# KiCad board SoundLab16StepSequencer.kicad_pcb (continued)
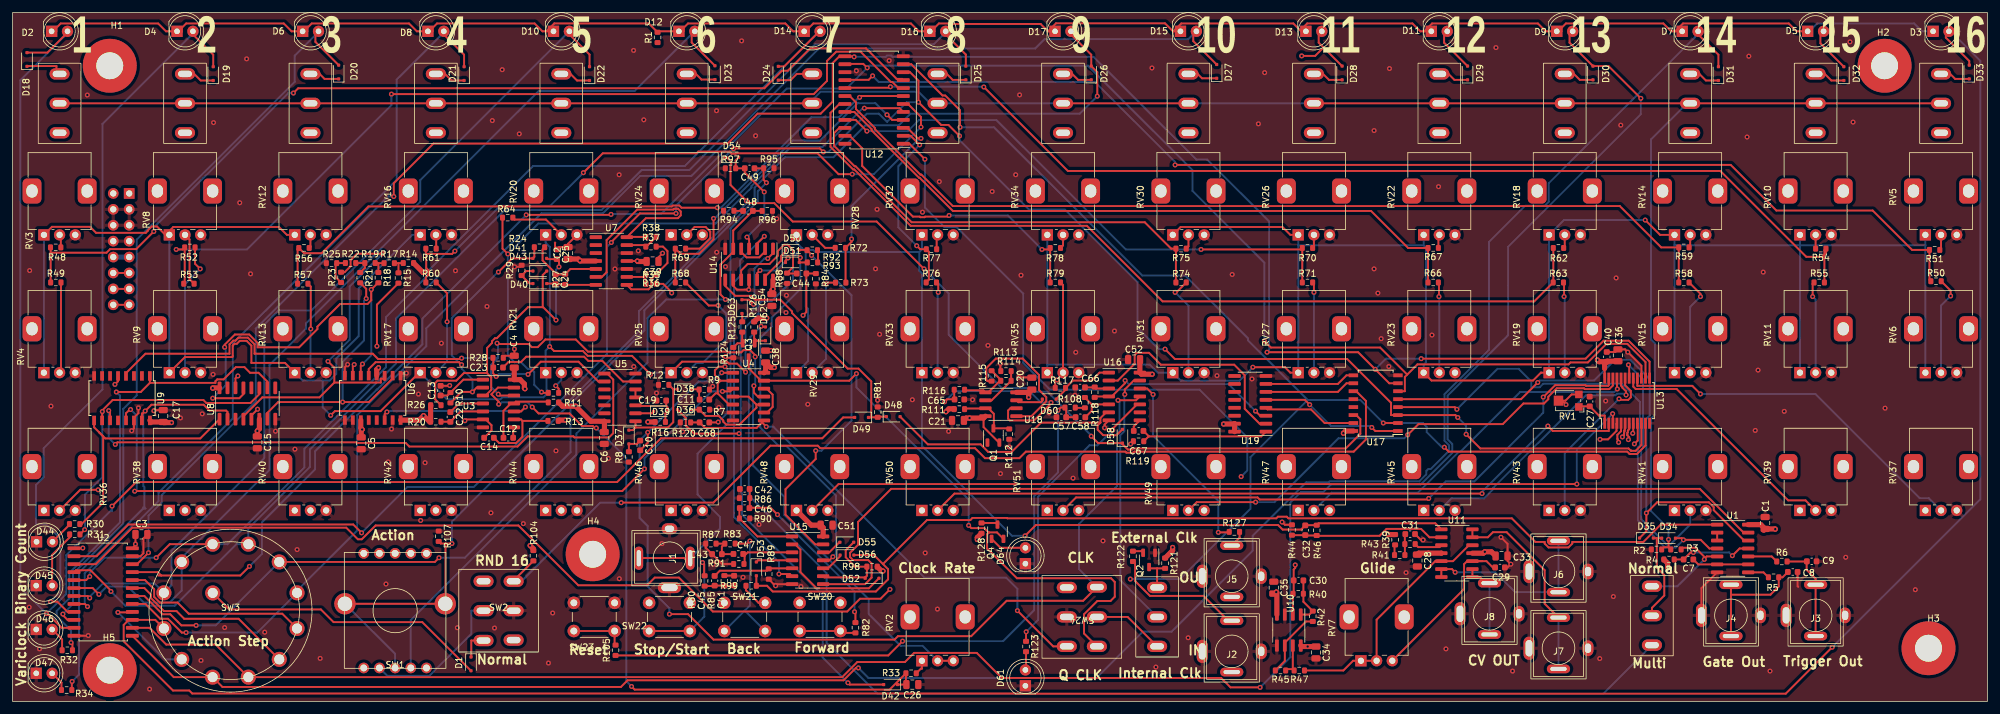
[diagram p0: board, top side]
## Footprints (pads in the part's own frame, mm; a bottom-side part is the same pattern mirrored in y, then rotated)
C_0603_1608Metric
  rrect 0.9x0.95 smd: 1(-0.775,0) 2(0.775,0)
C_0805_2012Metric
  rrect 1x1.45 smd: 1(-0.95,0) 2(0.95,0)
D_SOD-323F
  rrect 0.5x0.5 smd: 1(-1.1,0) 2(1.1,0)
LED_D5.0mm
  rect 1.8x1.8 hole 0.9: 1(0,0)
  round 1.8 hole 0.9: 2(2.54,0)
MountingHole_4.3mm_M4_Pad
  round 8.6 hole 4.3: 1(0.142,0.104)
MountingHole_4.3mm_M4_Pad#2
  round 8.6 hole 4.3: 1(-0.8,0.525)
MountingHole_4.3mm_M4_Pad#3
  round 8.6 hole 4.3: 1(0.225,-0.025)
MountingHole_4.3mm_M4_Pad#4
  round 8.6 hole 4.3: 1(-0.1,0.025)
MountingHole_4.3mm_M4_Pad#5
  round 8.6 hole 4.3: 1(-1.125,-1.125)
MTS-103-A01-T0
  oval 1.8x3.2 hole 1x2.2: 1(4.7,0) 2(0,0) 3(-4.7,0)
MTS-203-A1-T0
  oval 3.2x1.8 hole 2.2x1: 1(-2.4,-4.77) 2(-2.4,0) 3(-2.4,4.7) 4(2.4,-4.7) 5(2.4,0) 6(2.4,4.7)
PinHeader_2x08_P2.54mm_Vertical
  rect 1.7x1.7 hole 1: 1(0,0)
  oval 1.7x1.7 hole 1: 2(2.54,0) 3(0,-2.54) 4(2.54,-2.54) 5(0,-5.08) 6(2.54,-5.08) 7(0,-7.62) 8(2.54,-7.62) 9(0,-10.16) 10(2.54,-10.16) 11(0,-12.7) 12(2.54,-12.7) 13(0,-15.24) 14(2.54,-15.24) 15(0,-17.78) 16(2.54,-17.78)
PJ-301-BM
  oval 1.75x3.7 hole 1.1x2.6: S(-4.7,0)
  oval 1.75x2.5 hole 1x1.5: S(4.7,0)
  oval 3.7x1.4 hole 2.6x0.65: T(0,4.9) T(0,-3.3)
Potentiometer_Alps_RK09K_Single_Vertical
  rect 1.8x1.8 hole 1: 1(0,0)
  round 1.8 hole 1: 2(0,-2.5) 3(0,-5)
  rrect 4x3 hole 2.1x1.8: MP(7,1.9) MP(7,-6.9)
Potentiometer_Bourns_TC33X_Vertical
  rect 1.2x1.2 smd: 1(-1.8,1) 3(-1.8,-1)
  rect 1.5x1.6 smd: 2(1.45,0)
R_0603_1608Metric
  rrect 0.8x0.95 smd: 1(-0.825,0) 2(0.825,0)
SO-14_3.9x8.65mm_P1.27mm
  rrect 1.95x0.6 smd: 1(-2.475,3.81) 2(-2.475,2.54) 3(-2.475,1.27) 4(-2.475,0) 5(-2.475,-1.27) 6(-2.475,-2.54) 7(-2.475,-3.81) 8(2.475,-3.81) 9(2.475,-2.54) 10(2.475,-1.27) 11(2.475,0) 12(2.475,1.27) 13(2.475,2.54) 14(2.475,3.81)
SOIC-8_3.9x4.9mm_P1.27mm
  rrect 1.95x0.6 smd: 1(-2.475,1.905) 2(-2.475,0.635) 3(-2.475,-0.635) 4(-2.475,-1.905) 5(2.475,-1.905) 6(2.475,-0.635) 7(2.475,0.635) 8(2.475,1.905)
SOIC-14_3.9x8.7mm_P1.27mm
  rrect 1.95x0.6 smd: 1(-2.475,3.81) 2(-2.475,2.54) 3(-2.475,1.27) 4(-2.475,0) 5(-2.475,-1.27) 6(-2.475,-2.54) 7(-2.475,-3.81) 8(2.475,-3.81) 9(2.475,-2.54) 10(2.475,-1.27) 11(2.475,0) 12(2.475,1.27) 13(2.475,2.54) 14(2.475,3.81)
SOIC-16W_5.3x10.2mm_P1.27mm
  rect 1.5x0.6 smd: 1(-3.55,4.445) 2(-3.55,3.175) 3(-3.55,1.905) 4(-3.55,0.635) 5(-3.55,-0.635) 6(-3.55,-1.905) 7(-3.55,-3.175) 8(-3.55,-4.445) 9(3.55,-4.445) 10(3.55,-3.175) 11(3.55,-1.905) 12(3.55,-0.635) 13(3.55,0.635) 14(3.55,1.905) 15(3.55,3.175) 16(3.55,4.445)
SOIC-24W_7.5x15.4mm_P1.27mm
  rrect 2.05x0.6 smd: 1(-4.65,6.985) 2(-4.65,5.715) 3(-4.65,4.445) 4(-4.65,3.175) 5(-4.65,1.905) 6(-4.65,0.635) 7(-4.65,-0.635) 8(-4.65,-1.905) 9(-4.65,-3.175) 10(-4.65,-4.445) 11(-4.65,-5.715) 12(-4.65,-6.985) 13(4.65,-6.985) 14(4.65,-5.715) 15(4.65,-4.445) 16(4.65,-3.175) 17(4.65,-1.905) 18(4.65,-0.635) 19(4.65,0.635) 20(4.65,1.905) 21(4.65,3.175) 22(4.65,4.445) 23(4.65,5.715) 24(4.65,6.985)
SOP-16_3.9x9.9mm_P1.27mm
  rrect 2x0.6 smd: 1(-2.5,4.445) 2(-2.5,3.175) 3(-2.5,1.905) 4(-2.5,0.635) 5(-2.5,-0.635) 6(-2.5,-1.905) 7(-2.5,-3.175) 8(-2.5,-4.445) 9(2.5,-4.445) 10(2.5,-3.175) 11(2.5,-1.905) 12(2.5,-0.635) 13(2.5,0.635) 14(2.5,1.905) 15(2.5,3.175) 16(2.5,4.445)
SOT-23-3
  rrect 1.325x0.6 smd: 1(-1.137,0.95) 2(-1.137,-0.95) 3(1.137,0)
SR2612F-0112
  round 2.4 hole 1.6: 1(-10.615,2.847) 2(-7.778,7.778) 3(-2.847,10.615) 4(2.847,10.615) 5(7.778,7.778) 6(10.615,2.847) 7(10.615,-2.847) 8(7.778,-7.778) 9(2.847,-10.615) 10(-2.847,-10.615) 11(-7.778,-7.778) 12(-10.615,-2.847) 13(-2.828,2.828)
SRBV141404
  round 1.7 hole 1.1: 1(5,-9.15) 2(2.5,-9.15) 3(0,-9.15) 4(-2.5,-9.15) 5(-5,-9.15) 6(-5,9.15) 7(-2.5,9.15) 8(0,9.15) 9(2.5,9.15) 10(5,9.15)
  round 3.4 hole 2.3: 3(-8,1.1) 3(8,1.1)
SSOP-24_5.3x8.2mm_P0.65mm
  rect 1.75x0.45 smd: 1(-3.6,3.575) 2(-3.6,2.925) 3(-3.6,2.275) 4(-3.6,1.625) 5(-3.6,0.975) 6(-3.6,0.325) 7(-3.6,-0.325) 8(-3.6,-0.975) 9(-3.6,-1.625) 10(-3.6,-2.275) 11(-3.6,-2.925) 12(-3.6,-3.575) 13(3.6,-3.575) 14(3.6,-2.925) 15(3.6,-2.275) 16(3.6,-1.625) 17(3.6,-0.975) 18(3.6,-0.325) 19(3.6,0.325) 20(3.6,0.975) 21(3.6,1.625) 22(3.6,2.275) 23(3.6,2.925) 24(3.6,3.575)
SW_PUSH_6mm_H13mm
  round 2 hole 1.1: 1(0,0) 1(6.5,0) 2(0,-4.5) 2(6.5,-4.5)

## Nets
+5V: U12.24
+12V: C1.1 C2.1 C3.1 C4.1 C5.1 C6.1 C15.1 C17.1 C20.1 C28.1 C34.1 C36.2 C38.1 C40.2 C51.1 C52.1 C54.1 J9.9 J9.10 R4.1 R11.1 R13.1 R14.2 R16.1 R20.1 R26.1 R39.2 R98.1 R99.1 R104.2 R111.2 R121.2 R126.2 R128.2 RV36.1 RV37.1 RV38.1 RV39.1 RV40.1 RV41.1 RV42.1 RV43.1 RV44.1 RV45.1 RV46.1 RV47.1 RV48.1 RV49.1 RV50.1 RV51.1 SW20.1 SW21.1 SW22.1 U1.14 U2.1 U2.24 U3.14 U4.14 U5.14 U6.4 U6.11 U6.16 U7.4 U8.6 U8.16 U9.5 U9.16 U10.8 U11.4 U13.24 U14.14 U15.14 U16.14 U17.16 U18.8 U19.15 U19.16
-12V: C21.2 C29.2 C35.2 C39.2 J9.1 J9.2 Q1.2 U7.11 U10.4 U11.11 U18.4
GNDREF: C1.2 C2.2 C3.2 C4.2 C5.2 C6.2 C8.1 C9.1 C13.2 C15.2 C17.2 C19.2 C20.2 C21.1 C25.1 C26.1 C27.2 C28.2 C29.1 C31.2 C33.2 C34.2 C35.1 C36.1 C38.2 C39.1 C40.1 C41.2 C42.2 C43.2 C51.2 C52.2 C54.2 C57.2 C65.1 C66.1 D44.1 D45.1 D46.1 D47.1 D61.1 D64.1 J1.S J2.S J3.S J4.S J5.S J6.S J7.S J8.S J9.3 J9.4 J9.5 J9.6 J9.7 J9.8 Q2.1 R2.2 R7.2 R8.1 R9.2 R12.2 R25.1 R28.1 R29.1 R44.2 R81.1 R84.1 R85.1 R86.1 R87.1 R88.1 R89.1 R90.1 R91.1 R94.2 R95.2 R96.1 R97.1 R107.1 R112.1 R113.1 R117.1 R119.1 R120.2 R124.1 RV3.3 RV4.3 RV5.3 RV6.3 RV8.3 RV9.3 RV10.3 RV11.3 RV12.3 RV13.3 RV14.3 RV15.3 RV16.3 RV17.3 RV18.3 RV19.3 RV20.3 RV21.3 RV22.3 RV23.3 RV24.3 RV25.3 RV26.3 RV27.3 RV28.3 RV29.3 RV30.3 RV31.3 RV32.3 RV33.3 RV34.3 RV35.3 RV36.3 RV37.3 RV38.3 RV39.3 RV40.3 RV41.3 RV42.3 RV43.3 RV44.3 RV45.3 RV46.3 RV47.3 RV48.3 RV49.3 RV50.3 RV51.3 SW2.5 SW23.1 SW24.5 U1.7 U2.12 U2.23 U3.7 U4.6 U4.7 U5.7 U6.1 U6.8 U6.9 U6.10 U6.15 U7.10 U7.12 U8.8 U9.8 U9.14 U10.3 U10.5 U12.12 U12.15 U13.12 U13.15 U14.7 U14.9 U14.11 U15.7 U16.7 U17.8 U19.8
/SequencerAnalogGenerator/CV1: J8.T U11.8 U11.9
/SequencerAnalogGenerator/CV2: J7.T U11.13 U11.14
/SequencerAnalogGenerator/CV3: J6.T U11.6 U11.7
/SequencerAnalogGenerator/QA: U2.2 U12.10 U13.10 U17.3
/SequencerAnalogGenerator/QB: U2.3 U12.11 U13.11 U17.2
/SequencerAnalogGenerator/QC: U2.21 U12.14 U13.14 U17.6
/SequencerAnalogGenerator/QD: U2.22 U12.13 U13.13 U17.7
/SequencerClocking/CLR: D54.1 D58.1 R107.2 SW1.3 U17.14
/SequencerClocking/DA: U17.15 U19.4
/SequencerClocking/DB: U17.1 U19.5
/SequencerClocking/DC: U17.10 U19.6
/SequencerClocking/DD: U17.9 U19.7
/SequencerClocking/DN: D34.2 U1.4 U17.4
/SequencerClocking/FWD: D2.2 D18.2 D49.2 U2.11
/SequencerClocking/REV: C44.2 R84.2 SW1.5
/SequencerClocking/RND: R104.1 SW2.6 U17.11
/SequencerClocking/RST: D48.2 D58.2 U16.6
/SequencerClocking/STP: C48.2 R96.2 SW1.2 U14.6
/SequencerClocking/UP: D35.1 U1.12 U17.5
/SequencerClocking/X2: D36.2 D42.2 D63.2 U14.1
/SequencerClocking/XSTP: C49.1 J1.T R95.1
/SequencerInput/Gate: C8.2 J4.T R5.2
/SequencerInput/Q4: D10.2 D22.2 SW3.1 U2.7
/SequencerInput/Q5: D12.2 D23.2 SW3.2 U2.6
/SequencerInput/Q6: D14.2 D24.2 SW3.3 U2.5
/SequencerInput/Q7: D16.2 D25.2 SW3.4 U2.4
/SequencerInput/Q8: D17.2 D26.2 SW3.5 U2.18
/SequencerInput/Q9: D15.2 D27.2 SW3.6 U2.17
/SequencerInput/Q10: D13.2 D28.2 SW3.7 U2.20
/SequencerInput/Q11: D11.2 D29.2 SW3.8 U2.19
/SequencerInput/Q12: D9.2 D30.2 SW3.9 U2.14
/SequencerInput/Q13: D7.2 D31.2 SW3.10 U2.13
/SequencerInput/Q14: D5.2 D32.2 SW3.11 U2.16
/SequencerInput/Q15: D3.2 D33.2 SW3.12 U2.15
/SequencerInput/SBV1: D34.1 D35.2 SW26.2
/SequencerInput/SBV2: R3.2 SW26.1 U1.5
/SequencerInput/Trig: C9.2 J3.T R6.2
/SequencerRandomGenerator/CLK: U16.9
/VariClock1/CLK: RV2.2 RV2.3 U3.12 U4.11 U9.4
/VariClock1/CLR: U4.3 U9.13
/VariClock1/DV: C27.1 RV1.1 U13.1
/VariClock1/QCK: C10.2 SW24.1 U4.1 U16.11
/VariClock1/RST: D36.1 R7.1 U4.4 U4.10
/VariClock1/SET: C11.2 C68.2 U4.2 U4.5
/VariClock2/Clock_Out: J5.T R127.2
/VariClock2/EXT_CLK_Input: J2.T R122.2
/VariClock2/Q2: Q3.3 Q4.2 SW24.3 U4.13
CBUS: R1.1
GB: R2.1 R3.1 SW4.2 SW5.2 SW6.2 SW7.2 SW8.2 SW9.2 SW10.2 SW11.2 SW12.2 SW13.2 SW14.2 SW15.2 SW16.2 SW17.2 SW18.2 SW19.2
I/O: C30.1 R40.1 U10.2 U12.1
Net-(C7-Pad1): C7.1 U1.6 U1.9
Net-(C7-Pad2): C7.2 R4.2 U1.11
Net-(C12-Pad1): C12.1 R11.2 U3.11
Net-(C12-Pad2): C12.2 U3.8
Net-(C13-Pad1): C13.1 R10.2 U3.1
Net-(C14-Pad1): C14.1 R13.2 U3.9
Net-(C22-Pad1): C22.1 R20.2 U3.5
Net-(C22-Pad2): C22.2 U3.4
Net-(C23-Pad1): C23.1 R28.2 U5.9
Net-(C23-Pad2): C23.2 U5.6
Net-(C30-Pad2): C30.2 R40.2 R42.2 U10.1
Net-(C31-Pad1): C31.1 R41.1 R43.2
Net-(C32-Pad2): C32.2 R46.1 RV3.1 RV4.1 RV8.1 RV9.1 RV12.1 RV13.1 RV16.1 RV17.1 RV20.1 RV21.1 RV24.1 RV25.1 RV28.1 RV29.1 RV32.1 RV33.1 U11.1
Net-(C41-Pad1): C41.1 C45.1 R80.1 R85.2
Net-(C42-Pad1): C42.1 C46.1 R82.2 R86.2
Net-(C43-Pad1): C43.1 C47.1 R83.2 R87.2
Net-(C45-Pad2): C45.2 R89.2 U15.5
Net-(C46-Pad2): C46.2 R90.2 U15.1
Net-(C47-Pad2): C47.2 R91.2 U15.3
Net-(C48-Pad1): C48.1 R94.1
Net-(C57-Pad1): C57.1 C58.2 R105.1 R108.2
Net-(C58-Pad1): C58.1 R110.1 U16.5
Net-(C66-Pad2): C66.2 R118.2 U16.3
Net-(C67-Pad2): C67.2 U16.8
Net-(D1-A): D1.2 SW3.13
Net-(D1-K): D1.1 SW2.1
Net-(D10-K): D2.1 D3.1 D4.1 D5.1 D6.1 D7.1 D8.1 D9.1 D10.1 D11.1 D12.1 D13.1 D14.1 D15.1 D16.1 D17.1 R1.2
Net-(D18-K): D18.1 SW4.1
Net-(D19-A): D4.2 D19.2 U2.9
Net-(D19-K): D19.1 SW5.1
Net-(D20-A): D6.2 D20.2 U2.10
Net-(D20-K): D20.1 SW6.1
Net-(D21-A): D8.2 D21.2 U2.8
Net-(D21-K): D21.1 SW7.1
Net-(D22-K): D22.1 SW8.1
Net-(D23-K): D23.1 SW9.1
Net-(D24-K): D24.1 SW10.1
Net-(D25-K): D25.1 SW11.1
Net-(D26-K): D26.1 SW12.1
Net-(D27-K): D27.1 SW13.1
Net-(D28-K): D28.1 SW14.1
Net-(D29-K): D29.1 SW15.1
Net-(D30-K): D30.1 SW16.1
Net-(D31-K): D31.1 SW17.1
Net-(D32-K): D32.1 SW18.1
Net-(D33-K): D33.1 SW19.1
Net-(D37-A): C10.1 D37.2 R8.2
Net-(D37-K): D37.1 D38.1 R12.1 U5.1
Net-(D38-A): C11.1 D38.2 R9.1
Net-(D39-A): C19.1 D39.2 R16.2 U5.3
Net-(D39-K): D39.1 U5.2
Net-(D40-A): C24.2 D40.2 R27.1 U7.7
Net-(D40-K): D40.1 D43.1 R29.2
Net-(D41-A): C25.2 D41.2 D43.2 R26.2 U3.3
Net-(D41-K): D41.1 R10.1 R24.2 U3.2 U6.5
Net-(D42-K): C26.2 D42.1 R33.1 U3.13
Net-(D44-A): D44.2 R30.1
Net-(D45-A): D45.2 R31.1
Net-(D46-A): D46.2 R32.1
Net-(D47-A): D47.2 R34.1
Net-(D48-K): D48.1 D49.1 R81.2 U14.8
Net-(D50-A): D50.2 R92.2 U15.13
Net-(D50-K): D50.1 U14.13
Net-(D51-A): D51.2 R93.2 U15.11
Net-(D51-K): D51.1 U14.12
Net-(D52-A): D52.2 D55.2 R98.2 U15.9
Net-(D52-K): D52.1 U15.2
Net-(D53-A): D53.2 D56.2 R99.2 U1.1
Net-(D53-K): D53.1 U15.4
Net-(D54-A): C49.2 D54.2 R97.2 U14.4
Net-(D55-K): D55.1 U15.12
Net-(D56-K): D56.1 U15.10
Net-(D60-A): D60.2 U18.7
Net-(D60-K): D60.1 R117.2 U16.1
Net-(D61-A): D61.2 R123.2
Net-(D62-A): D62.2 SW26.3
Net-(D62-K): D62.1 Q3.1 R126.1
Net-(D63-K): D63.1 R125.2
Net-(D64-A): D64.2 Q4.1
Net-(J9-Pin_11): J9.11 J9.12
Net-(J9-Pin_13): J9.13 J9.14
Net-(J9-Pin_15): J9.15 J9.16
Net-(Q1-C): Q1.3 R111.1 R112.2 U18.3
Net-(Q2-B): Q2.2 R122.1
Net-(Q2-C): Q2.3 R121.1 SW25.3
Net-(Q3-B): Q3.2 R124.2 R125.1
Net-(Q4-C): Q4.3 R128.1
Net-(R5-Pad1): R5.1 U1.8
Net-(R6-Pad1): R6.1 U1.10
Net-(R14-Pad1): R14.1 R15.1 R17.2
Net-(R17-Pad1): R17.1 R18.1 R19.2
Net-(R19-Pad1): R19.1 R21.1 R22.2
Net-(R22-Pad1): R22.1 R23.1 R25.2
Net-(R33-Pad2): R33.2 RV2.1
Net-(R35-Pad2): R35.2 RV1.2 RV1.3
Net-(R36-Pad1): R36.1 R37.2 U7.8
Net-(R39-Pad1): R39.1 R41.2
Net-(R45-Pad1): R45.1 R47.2 U10.7
Net-(R48-Pad2): R48.2 RV3.2
Net-(R49-Pad2): R49.2 RV4.2
Net-(R50-Pad1): R50.1 RV6.2
Net-(R51-Pad1): R51.1 RV5.2
Net-(R52-Pad2): R52.2 RV9.2
Net-(R53-Pad1): R53.1 RV8.2
Net-(R54-Pad2): R54.2 RV10.2
Net-(R55-Pad2): R55.2 RV11.2
Net-(R56-Pad2): R56.2 RV12.2
Net-(R57-Pad2): R57.2 RV13.2
Net-(R58-Pad1): R58.1 RV15.2
Net-(R59-Pad1): R59.1 RV14.2
Net-(R60-Pad2): R60.2 RV17.2
Net-(R61-Pad1): R61.1 RV16.2
Net-(R62-Pad2): R62.2 RV18.2
Net-(R63-Pad2): R63.2 RV19.2
Net-(R64-Pad2): R64.2 RV20.2
Net-(R65-Pad2): R65.2 RV21.2
Net-(R66-Pad1): R66.1 RV23.2
Net-(R67-Pad1): R67.1 RV22.2
Net-(R68-Pad2): R68.2 RV25.2
Net-(R69-Pad1): R69.1 RV24.2
Net-(R70-Pad2): R70.2 RV26.2
Net-(R71-Pad2): R71.2 RV27.2
Net-(R72-Pad2): R72.2 RV28.2
Net-(R73-Pad2): R73.2 RV29.2
Net-(R74-Pad1): R74.1 RV31.2
Net-(R75-Pad1): R75.1 RV30.2
Net-(R76-Pad2): R76.2 RV33.2
Net-(R77-Pad1): R77.1 RV32.2
Net-(R78-Pad2): R78.2 RV34.2
Net-(R79-Pad2): R79.2 RV35.2
Net-(R80-Pad2): R80.2 SW22.2
Net-(R82-Pad1): R82.1 SW20.2
Net-(R83-Pad1): R83.1 SW21.2
Net-(R92-Pad1): R92.1 R93.1
Net-(R105-Pad2): R105.2 SW23.2
Net-(R108-Pad1): R108.1 R110.2
Net-(R114-Pad1): R114.1 R115.2 R116.2 U18.1
Net-(R123-Pad1): R123.1 U16.10
Net-(R127-Pad1): R127.1 U16.12
Net-(RV10-Pad1): RV5.1 RV6.1 RV10.1 RV11.1 RV14.1 RV15.1 RV18.1 RV19.1 RV22.1 RV23.1 RV26.1 RV27.1 RV30.1 RV31.1 RV34.1 RV35.1
Net-(SW1-Pad4): SW1.4 SW2.2
Net-(SW25-A): SW24.2 SW25.1
Net-(SW25-B): SW25.2 U16.13
Net-(U1-Pad2): U1.2 U1.3
Net-(U1-Pad13): U1.13 U15.8
Net-(U4B-D): U4.9 U4.12
Net-(U4B-S): C68.1 R120.1 SW24.6 U4.8
Net-(U5-Pad4): U5.4 U5.5
Net-(U6-MR): U3.10 U6.14
Net-(U6-Q0): R23.2 U6.3 U8.4
Net-(U6-Q1): R21.2 U6.2 U8.7
Net-(U6-Q2): R18.2 U6.6 U8.13
Net-(U6-Q3): R15.2 U6.7 U8.14
Net-(U7B-+): C24.1 R24.1 R27.2 U7.5
Net-(U7B--): R38.1 U7.6 U7.14
Net-(U7C--): R35.1 R36.2 U7.9
Net-(U7D--): R37.1 R38.2 U7.13
Net-(U8-E0): C14.2 U3.6 U8.5
Net-(U9-LOAD): U5.8 U9.11
Net-(U9-P0): R34.2 U8.2 U9.15
Net-(U9-P1): R32.2 U8.10 U9.1
Net-(U9-P2): R31.2 U8.11 U9.10
Net-(U9-P3): R30.2 U8.1 U9.9
Net-(U10B--): R42.1 R45.2 U10.6
Net-(U11A-+): R43.1 U11.3
Net-(U11A--): C32.1 R44.1 R46.2 U11.2
Net-(U11B-+): R47.1 RV7.1 RV7.2 U11.5 U11.12
Net-(U11C-+): C33.1 RV7.3 U11.10
Net-(U12-I0): R48.1 R49.1 U12.9
Net-(U12-I1): R52.1 R53.2 U12.8
Net-(U12-I2): R56.1 R57.1 U12.7
Net-(U12-I3): R60.1 R61.2 U12.6
Net-(U12-I4): R64.1 R65.1 U12.5
Net-(U12-I5): R68.1 R69.2 U12.4
Net-(U12-I6): R72.1 R73.1 U12.3
Net-(U12-I7): R76.1 R77.2 U12.2
Net-(U12-I8): R78.1 R79.1 U12.23
Net-(U12-I9): R74.2 R75.2 U12.22
Net-(U12-I10): R70.1 R71.1 U12.21
Net-(U12-I11): R66.2 R67.2 U12.20
Net-(U12-I12): R62.1 R63.1 U12.19
Net-(U12-I13): R58.2 R59.2 U12.18
Net-(U12-I14): R54.1 R55.1 U12.17
Net-(U12-I15): R50.2 R51.2 U12.16
Net-(U13-I0): RV36.2 U13.9
Net-(U13-I1): RV38.2 U13.8
Net-(U13-I2): RV40.2 U13.7
Net-(U13-I3): RV42.2 U13.6
Net-(U13-I4): RV44.2 U13.5
Net-(U13-I5): RV46.2 U13.4
Net-(U13-I6): RV48.2 U13.3
Net-(U13-I7): RV50.2 U13.2
Net-(U13-I8): RV51.2 U13.23
Net-(U13-I9): RV49.2 U13.22
Net-(U13-I10): RV47.2 U13.21
Net-(U13-I11): RV45.2 U13.20
Net-(U13-I12): RV43.2 U13.19
Net-(U13-I13): RV41.2 U13.18
Net-(U13-I14): RV39.2 U13.17
Net-(U13-I15): RV37.2 U13.16
Net-(U14A-C): U14.3 U15.6
Net-(U14A-D): U14.2 U14.5
Net-(U14B-R): C44.1 R88.2 U14.10
Net-(U18A--): R113.2 R114.2 U18.2
Net-(U18B-+): R115.1 U18.5
Net-(U18B--): C65.2 R116.1 U18.6
Net-(U19-CLK): R118.1 U16.4 U19.3
Net-(U19-DATA): U16.2 U19.2
Net-(U19-STROBE): C67.1 R119.2 U19.1

Pads without a net: H1 1; H2 1; H3 1; H4 1; H5 1; Q1 1; RV2 MP; RV3 MP; RV4 MP; RV5 MP; RV6 MP; RV7 MP; RV8 MP; RV9 MP; RV10 MP; RV11 MP; RV12 MP; RV13 MP; RV14 MP; RV15 MP; RV16 MP; RV17 MP; RV18 MP; RV19 MP; RV20 MP; RV21 MP; RV22 MP; RV23 MP; RV24 MP; RV25 MP; RV26 MP; RV27 MP; RV28 MP; RV29 MP; RV30 MP; RV31 MP; RV32 MP; RV33 MP; RV34 MP; RV35 MP; RV36 MP; RV37 MP; RV38 MP; RV39 MP; RV40 MP; RV41 MP; RV42 MP; RV43 MP; RV44 MP; RV45 MP; RV46 MP; RV47 MP; RV48 MP; RV49 MP; RV50 MP; RV51 MP; SW1 1 6 7 8 9 10; SW2 3 4; SW4 3; SW5 3; SW6 3; SW7 3; SW8 3; SW9 3; SW10 3; SW11 3; SW12 3; SW13 3; SW14 3; SW15 3; SW16 3; SW17 3; SW18 3; SW19 3; SW24 4; U5 10 11 12 13; U6 12 13; U7 1 2 3; U8 3 9 12 15; U9 2 3 6 7 12; U17 12 13; U19 9 10 11 12 13 14

## Via types
v1: diameter 0.8, hole 0.4, Top to Bottom, 409 vias
v2: diameter 0.8, hole 0.4, Top to In2.Cu, 1 via

## Routing (per net, layer and track width the routed paths; a pad name or vN(x,y) marks a point on that pad's centre or on a via; arc(x,y) is an arc through that point)
+12V: length 897.1
  Top w0.305: U9.5 16.82,51.12 v1(16.33,50.62) ; SW21.1 118.95,15.75 116.95,17.75 R99.1 ; U2.24 19.6,24.96 v1(19.6,25.12) C3.1 ; U13.24 253.88,53.12 253.85,53.15 ; v1(11.2,24.5) 11.16,24.46 U2.1
  Top w0.813: R104.2 83.05,24.38 v1(82.53,24.9) ; U10.8 205.56,8.78 v1(206.5,8.78) 207.82,8.78 ; R126.2 118.82,61.2 v1(120.26,61.2) ; U4.14 120.07,52.74 C38.1 120.88,53.32 v1(121.47,53.32) ; U17.16 212.56,43.19 v1(212.2,42.82) ; v1(101.3,44.62) R16.1 ; v1(184.97,24.6) 184.97,24.1 R121.2 ; C15.1 39.03,43.19 v1(39.04,43.21) 39.36,43.52 U8.6 ; R98.1 138.57,20.82 v1(138.8,20.82) ; v1(25.35,44.53) 24.12,44.53 C17.1 22.15,44.62 U9.16 ; 55.6,42.18 55.6,43.28 v1(55.75,43.42) 55.53,43.65 U6.11 ; 162.03,49.05 162.03,49.3 C20.1 ; 162.03,49.05 v1(162.03,48.55) ; 162.03,49.05 161.72,49.35 U18.8 ; R39.2 219.4,26.65 v1(219.32,26.72) ; 58.06,52.03 58.06,53 v1(58.36,53.29) ; v2(148.82,46.25) 149.3,46.72 150.1,46.72 R111.2 ; v1(181.72,52.25) 180.01,52.25 U16.14 179.75,54.56 179.78,54.59 ; C2.1 90.2,70.65 v1(90.45,70.4) 90.52,70.33 U7.4 ; 255.98,54.32 254.27,54.32 C40.2 ; C1.1 281.03,27.55 v1(281.07,27.52) ; C1.1 278.76,28.24 U1.14 ; C1.1 279.23,27.32 ; C28.1 224.23,23.68 v1(225.75,23.68) 227.82,23.68 U11.4 ; v1(88.15,44.93) 87.15,44.93 R13.1 ; v1(81.7,49.93) 81.61,50.01 81.61,50.7 80.92,51.38 U3.14 80,51.44 C4.1 ; C40.2 253.85,53.9 253.85,53.15 ; C40.2 252.98,54.25 v1(252.7,54.53) ; R4.1 263.9,22.07 v1(263.9,21.32) ; R26.1 66.66,47.28 R20.1 66.5,44.67 v1(65.53,45.63) 64.82,44.93 U6.16 ; RV48.1 127.35,28.15 C51.1 129.25,27.75 U15.14 ; v1(65.53,68.5) 65.45,68.5 R14.2 ; v1(31.92,50.03) 31.97,50.07 U8.16 ; v1(193.1,44.3) 194.8,44.3 U19.15 U19.16 ; R128.2 153.82,26.18 v1(153.82,25.85) ; U14.14 v1(121.26,65.85) 121.07,65.67 C54.1 ; C6.1 94.38,43.05 U5.14 92.19,44.74 v1(89.78,47.15) 87.68,47.15 R11.1
  In2.Cu w0.305: 113.7,19.72 108.07,19.72 108,19.8
  In2.Cu w0.813: 87.01,32.51 87.29,32.79 102.71,32.79 RV46.1 ; 87.01,32.51 88.15,33.65 v1(88.15,44.93) 88.15,45.53 v1(89.78,47.15) ; 87.01,32.51 RV44.1 ; 226.51,28.99 RV45.1 223.49,32.01 215.7,32.01 ; 226.51,28.99 243.49,28.99 RV43.1 246.51,28.99 252.27,28.99 ; 226.51,28.99 225.75,28.24 ; 187.75,32.01 186.51,32.01 RV49.1 ; 187.75,32.01 190.62,32.01 192.13,30.5 201.55,30.5 ; 187.75,32.01 187.75,38.95 v1(193.1,44.3) 190.19,44.3 182.24,52.25 v1(181.72,52.25) ; RV37.1 303.49,28.99 286.51,28.99 RV39.1 283.49,32.01 276.57,32.01 ; RV49.1 185,24.62 v1(184.97,24.6) ; RV49.1 183.49,32.01 166.51,32.01 RV51.1 163.49,32.01 160.32,32.01 ; v1(263.9,21.32) 265.06,22.48 265.06,27.43 263.49,28.99 ; v1(89.78,47.15) 88.56,48.37 82.86,48.37 81.7,49.53 v1(81.7,49.93) ; v1(89.78,47.15) 98.78,47.15 v1(101.3,44.62) ; v1(89.78,47.15) 91.51,48.88 91.51,55.94 89.78,57.68 89.78,69.72 v1(90.45,70.4) ; 201.55,30.5 RV47.1 206.51,32.01 215.7,32.01 ; 201.55,30.5 202.3,30.5 206.5,26.3 v1(206.5,8.78) ; 56.97,42.28 61.78,42.28 65.13,45.63 v1(65.53,45.63) 58.36,52.81 v1(58.36,53.29) 59.68,54.62 59.68,62.64 v1(65.53,68.5) ; 56.97,42.28 56.97,32.01 ; 56.97,42.28 55.83,43.42 v1(55.75,43.42) ; v2(148.82,46.25) 149.43,46.85 160.32,46.85 ; 134.07,32.28 126.78,32.28 RV48.1 122.62,32.88 120.1,32.88 ; 134.07,32.28 143.22,32.28 RV50.1 146.51,32.01 154.1,32.01 ; 134.07,32.28 138.8,27.55 v1(138.8,20.82) ; 154.1,32.01 160.32,32.01 ; 154.1,32.01 154.1,26.12 v1(153.82,25.85) ; 160.32,32.01 160.32,46.85 ; 276.57,32.01 266.51,32.01 RV41.1 263.49,28.99 ; 276.57,32.01 v1(281.07,27.52) ; RV46.1 107.38,32.88 120.1,32.88 ; RV46.1 107.22,28.28 107.22,26.15 106.15,25.08 106.15,21.65 108.5,19.3 108.5,16.25 SW22.1 104.8,15.75 ; 215.7,32.01 215.7,39.32 v1(212.2,42.82) ; 160.32,46.85 v1(162.03,48.55) ; SW20.1 SW20.1 SW21.1 SW21.1 104.8,15.75 ; v1(252.7,54.53) 252.01,53.84 252.01,45.11 254.28,42.84 254.28,31 252.27,28.99 ; v1(39.04,43.21) 39.04,43.52 32.53,50.03 v1(31.92,50.03) 26.31,50.03 25.35,49.06 ; 56.97,32.01 63.49,32.01 RV42.1 66.51,32.01 83.49,32.01 RV44.1 ; 56.97,32.01 46.51,32.01 RV40.1 43.49,32.01 26.51,32.01 RV38.1 ; RV38.1 23.13,32.37 15.56,32.37 14.44,31.24 13.56,31.24 12.72,32.09 6.59,32.09 RV36.1 6.4,31.9 6.4,40.7 v1(16.33,50.62) 20.06,54.36 ; RV38.1 25,30.22 ; 25.35,49.06 v1(25.35,44.53) ; 25.35,49.06 20.06,54.36 ; 225.75,28.24 226.03,27.96 226.03,23.96 v1(225.75,23.68) ; 225.75,28.24 224.24,26.72 v1(219.32,26.72) ; 104.8,15.75 SW22.1 ; 20.06,54.36 20.06,69.5 J9.9 ; RV44.1 85,27.38 v1(82.53,24.9) ; 263.49,28.99 252.27,28.99 ; 120.1,32.88 120.1,38.42 121.47,39.79 v1(121.47,53.32) 122.01,53.86 122.01,56.68 120.99,57.69 120.99,60.47 v1(120.26,61.2) 121.26,62.2 v1(121.26,65.85)
  Bottom w0.813: J9.9 J9.10
-12V: length 272.2
  Top w0.305: 154.83,45.25 154.83,43.81 157.3,41.34 Q1.2 ; U7.11 v1(99.62,70.33)
  Top w0.813: U11.11 234.53,23.68 v1(234.75,23.9) 235.8,23.9 C29.2 ; 201.1,17.22 201.25,17.22 v1(201.5,17.47) 201.6,17.38 U10.4 ; C21.2 152.07,45.25 v1(152.6,45.25) 154.83,45.25 U18.4 ; C39.2 99.7,70.25 v1(99.62,70.33)
  In1.Cu w0.813: 201.5,20.38 v1(201.5,17.47) ; 201.5,20.38 201.5,23.02 179.54,44.97 152.88,44.97 v1(152.6,45.25) 152.53,45.18 143.22,45.18 134.99,53.4 134.07,53.4 128.41,59.07 128.41,62.44 125.54,65.31 124.39,65.31 119.21,70.48 99.78,70.48 v1(99.62,70.33) 99.62,70.62 95.91,74.33 95.62,74.33 93.73,76.22 23.49,76.22 J9.1 J9.2 ; 201.5,20.38 214.63,20.38 215.93,21.68 228.6,21.68 230.82,23.9 v1(234.75,23.9)
GNDREF: length 84.2
  Top w0.305: v1(166.56,51.34) 166.25,51.03 R117.1 ; C33.2 238.38,21.4 v1(238.9,21.92) 238.38,22.45 C29.1 238.38,25.17 v1(237.32,26.22) ; U14.11 117.45,65.83 v1(117.38,65.75) 115.51,65.75 114.91,66.35 U14.9 ; 178.72,41.55 v1(178.27,41.1) ; v1(69.7,50.45) 69.65,50.4 C13.2 ; v1(62.8,52.42) 62.27,52.42 U6.1 ; v1(80.03,56.28) 80.03,55.22 C4.2 78.58,55.2 R28.1 ; R124.1 113.86,54.88 v1(113.67,55.06) ; v1(103.65,71.58) 103,70.92 C39.1 ; v1(53.43,53.81) 52.98,53.36 52.98,52.03 ; C20.2 162.47,51.75 v1(160.47,51.75) ; v1(22.55,46.43) 22.65,46.53 C17.2 ; U13.15 259.73,53.6 v1(257.55,55.78) 257.1,56.22 C36.1 255.55,55.8 C40.1 ; C8.1 284.62,18.4 284.73,18.3 ; R44.2 202.87,28.2 v1(202.42,28.65) ; C38.2 120.93,56.03 v1(120.95,56.05) ; 86.5,73.25 86.5,72.45 C25.1 87.15,72.55 C2.2 88.57,73.08 RV20.3 ; v1(20.08,46.88) 20.08,46.04 19.36,45.32 U9.14 19.36,43.59 v1(19,43.22) ; C3.2 20.87,26.05 20.87,23.66 20.4,23.19 U2.23 ; U15.7 121.37,18.73 R89.1 ; v1(157.5,53.97) 157.5,52.82 R113.1 ; C41.2 115.03,20.1 R85.1 ; v1(174.12,43.7) 174.12,44.22 U16.7 ; R91.1 113.12,21.95 C43.2 110.53,24.55 R87.1 ; v1(80.05,69.4) 80.93,69.4 R29.1 ; J4.S 269.3,18.12 U1.7 ; 11.85,10.53 v1(12.08,10.53) 11.81,10.49 U2.12 ; C31.2 224.7,25.65 224.77,25.65 v1(224.93,25.8)
  vias: v1(2.72,68.8) v1(2.65,15.05) v1(4.3,8.4) v1(6.12,47.15) v1(11.92,96.83) v1(21.85,1.97) v1(26.78,45.28) v1(30.05,6.55) v1(30.25,45.93) v1(32.05,92.42) v1(31.97,52.22) v1(33.82,11.8) v1(36.22,79.62) v1(37.33,102.6) v1(37.95,68.28) v1(40.21,11.06) v1(41.92,43.15) v1(45.03,40.28) v1(45.38,24.25) v1(49.05,6.88) v1(59.55,18.75) v1(59.9,38.25) v1(60.42,43.5) v1(64.72,49.07) v1(65.07,28.9) v1(65.78,38.12) v1(68.38,57.2) v1(70.62,68.78) v1(70.93,11.78) v1(75.65,63.07) v1(76.28,30.12) v1(76.5,92.75) v1(76.85,11.72) v1(78.07,100.88) v1(80.8,90.62) v1(81.45,28.39) v1(85.45,6.14) v1(86.12,14.12) v1(86.65,40.03) v1(95,38.8) v1(96.05,69.05) v1(96.72,84.1) v1(96.75,19.6) v1(99.03,103.95) v1(99.05,53.47) v1(99.78,71.95) v1(100.65,92.88) v1(102.68,49.25) v1(103.55,25.2) v1(106.85,43.07) v1(111.64,50.32) v1(111.72,21.9) v1(112.25,94.33) v1(112.28,71.72) v1(112.62,46.95) v1(113.67,69.42) v1(116.25,105.47) v1(116.47,19.82) v1(118.47,90.33) v1(119.03,28.25) v1(121.68,18.47) v1(121.85,77.08) v1(123.32,62.1) v1(123.4,64.85) v1(125.7,18.35) v1(126.8,47.45) v1(134.55,100.7) v1(137.6,69.08) v1(137.85,78.58) v1(137.93,48.1) v1(138.25,58.62) v1(139.78,102.32) v1(143.47,48.18) v1(145.09,78.12) v1(145.53,23.72) v1(147.47,14.75) v1(147.78,83) v1(149.25,43.12) v1(153.07,48.18) v1(155.53,56.85) v1(156.2,81.42) v1(157.53,36.38) v1(158.93,40.62) v1(159.95,84.1) v1(160.57,96.85) v1(160.8,68.05) v1(165.28,46.07) v1(169.1,35.65) v1(169.4,48.88) v1(169.53,55.75) v1(173.88,25.65) v1(175.7,59.15) v1(181.68,101.15) v1(182.3,5.49) v1(187.45,10.18) v1(192.05,52.03) v1(194.48,68.17) v1(197.62,51.5) v1(198.65,92.22) v1(199.65,100.4) v1(217.1,91.15) v1(217.1,69.08) v1(217.7,65.2) v1(218.23,57.93) v1(219.45,53.47) v1(219.55,101.05) v1(222.2,20.57) v1(226.32,58.5) v1(227.38,82.2) v1(228.55,8.4) v1(236.52,104.4) v1(239.18,4.85) v1(253.07,6.85) v1(254.02,47.97) v1(255.25,16.75) v1(255.7,67.62) v1(256.43,92.02) v1(276.57,90.12) v1(276.85,103.03) v1(277.88,43.28) v1(278.32,52.9) v1(279.15,68.55) v1(280.23,4.85) v1(282.5,46.32) v1(292.3,23.03) v1(292.98,105.33) v1(293.48,92.5) v1(298.57,46.82) v1(303.4,17.85)
/SequencerAnalogGenerator/CV1: length 12.8
  Top w0.305: 235.5,18.35 233.99,19.87 U11.8 U11.9
  Bottom w0.305: J8.T J8.T
/SequencerAnalogGenerator/CV2: length 32.3
  Top w0.305: J7.T 244.3,15.6 244.3,20.96 238.24,27.03 236.05,27.03 235.24,26.22 U11.13 U11.14
  Bottom w0.305: J7.T J7.T
/SequencerAnalogGenerator/CV3: length 29.7
  Top w0.305: U11.7 U11.6 229.51,21.13 v1(230.02,20.62)
  Bottom w0.305: v1(230.02,20.62) 236.41,20.62 239.59,17.45 J6.T J6.T
/SequencerAnalogGenerator/QA: length 333.3
  Top w0.305: v1(183.77,56.25) 185.34,54.68 212.81,54.68 219.8,47.69 219.8,45.72 U17.3 230.06,45.72 v1(230.44,45.34) ; v1(55.65,26.93) 54.32,28.26 18.46,28.26 13.39,23.19 U2.2 ; v1(129.28,87.75) 128.73,88.3 115.01,88.3 v1(114.97,88.26) ; U12.10 143.09,100.48 144.45,99.12 v1(144.45,95.68) 148.08,92.05 149.23,92.05 v1(150.99,90.29) ; v1(105.79,77.92) 100.04,77.92 95.48,73.36 v1(95.48,73.28) ; v1(231.78,42.66) 234.04,40.4 257.67,40.4 258.02,40.05 258.12,40.05 258.14,40.02 258.81,40.02 259.73,40.94 U13.10
  Bottom w0.305: v1(150.99,90.29) 150.99,89.61 162.07,78.53 167.8,78.53 179.37,66.97 179.37,59.66 182.78,56.25 v1(183.77,56.25) ; v1(55.65,26.93) 62.97,34.25 73.54,34.25 94.77,55.48 94.77,72.57 v1(95.48,73.28) ; v1(129.28,87.75) 130.11,87.75 136.21,93.85 138.13,93.85 139.44,92.54 142.58,95.68 v1(144.45,95.68) ; v1(114.97,88.26) 114.9,88.26 105.79,79.16 v1(105.79,77.92) ; v1(230.44,45.34) 231.78,44.01 v1(231.78,42.66)
/SequencerAnalogGenerator/QB: length 379.2
  Top w0.305: U12.11 143.3,101.75 148.29,96.75 148.72,96.75 151.08,94.39 v1(151.08,91.68) ; v1(218.57,44.46) 219.79,44.46 219.8,44.46 220.9,44.46 ; v1(139.9,17.9) 138.41,16.41 135.13,16.41 133.09,14.37 111.66,14.37 106.25,19.78 102.41,19.78 101.18,18.55 90.21,18.55 80.66,28.1 57.89,28.1 55.69,25.9 55.06,25.9 53.2,27.75 19.09,27.75 13.26,21.92 U2.3 ; v1(228.3,40.59) 229,39.89 257.46,39.89 257.81,39.54 257.91,39.54 257.93,39.52 259.02,39.52 260.38,40.88 U13.11
  In1.Cu w0.305: v1(178.23,19.54) 141.54,19.54 v1(139.9,17.9)
  Bottom w0.305: v1(228.3,40.59) 227.91,40.59 225.49,43.01 225.49,43.84 224.87,44.46 v1(218.57,44.46) 214.89,48.14 206.51,48.14 ; 206.51,48.14 197.38,39.02 197.38,30.77 186.16,19.54 v1(178.23,19.54) ; 206.51,48.14 196.97,57.68 196.97,58.01 186.97,68.01 180.16,68.01 156.48,91.68 v1(151.08,91.68)
/SequencerAnalogGenerator/QC: length 326
  Top w0.305: 222.38,52.19 224.01,53.82 248.11,53.82 248.42,54.13 251.18,54.13 254.15,57.1 257.48,57.1 260.38,54.2 U13.14 ; 222.38,52.19 222,51.82 222,49.53 U17.6 ; 222.38,52.19 218.06,56.51 200.64,56.51 v1(199.61,57.55) ; 23.21,20.12 23.7,20.12 ; 23.7,20.12 23.17,20.65 U2.21 ; 23.7,20.12 36.32,20.12 v1(37.77,21.57) ; v1(81.91,77.7) 95.35,77.7 v1(95.43,77.77) ; v1(136.27,101.17) 135.64,101.8 132.78,101.8 U12.14
  Bottom w0.305: v1(199.61,57.55) 199.61,70.05 188.14,81.52 188.14,84.83 171.45,101.52 136.62,101.52 v1(136.27,101.17) 132.95,97.86 123.43,97.86 103.41,77.83 95.49,77.83 v1(95.43,77.77) ; v1(37.77,21.57) 39.76,23.56 39.76,28.6 48.25,37.09 48.25,39.97 58.07,49.8 58.13,49.8 65.35,57.02 65.35,61.14 v1(81.91,77.7)
/SequencerAnalogGenerator/QD: length 335.3
  Top w0.305: v1(60.79,80.62) 60.79,82.75 67.12,89.08 114.03,89.08 118.8,93.86 128.86,93.86 130.78,95.78 130.78,101.95 131.84,103.02 U12.13 134.1,103.02 v1(134.2,102.92) ; U17.7 219.51,50.81 v1(217.28,53.03) 214.56,55.76 v1(200.03,55.76) ; U2.22 19.84,21.92 v1(21.67,23.75) ; U13.13 261.02,54.26 257.68,57.6 253.7,57.6 250.83,54.73 v1(224.61,54.73)
  Bottom w0.305: v1(224.61,54.73) 218.98,54.73 v1(217.28,53.03) ; v1(60.79,80.62) 59.86,80.62 38.79,59.55 38.79,47.95 23.78,32.94 23.78,31.78 21.67,29.68 v1(21.67,23.75) ; v1(134.2,102.92) 139.24,102.92 139.44,103.13 140.11,103.13 140.31,102.92 172.36,102.92 188.76,86.52 190.49,86.52 200.36,76.65 200.36,56.09 v1(200.03,55.76)
/SequencerClocking/CLR: length 247.4
  Top w0.305: SW1.3 SW1.3 69.03,15.63 69.03,25.22 ; D54.1 113.88,86.88 114.59,86.16 114.59,85.75 114.47,85.63 114.47,82.47 v1(117.02,79.92) 117.38,79.57 121.46,79.57 124.4,76.63 137.78,76.63 v1(145.35,69.06) ; R107.2 68.28,25.22 69.03,25.22 ; U17.14 214.25,45.72 214.9,45.07 214.9,42.73 212.58,40.4 178.66,40.4 178.48,40.22 177.84,40.22 176.97,41.09 D58.1 173.1,41.25 v1(172,42.35) ; 69.03,25.22 70.06,25.22 v1(70.06,25.22)
  Bottom w0.305: v1(172,42.35) 172,42.45 165.01,49.45 162.98,49.45 162.37,50.06 157.74,50.06 149.28,58.52 149.28,65.13 v1(145.35,69.06) ; SW1.3 61,7.6 SW1.3 ; v1(117.02,79.92) 117.02,79.5 113.47,75.94 113.47,75.91 99.88,62.33 99.88,59.1 88.47,47.69 88.47,47.12 70.06,28.71 v1(70.06,25.22)
/SequencerClocking/DA: length 15
  Top w0.305: 213.8,44.46 209.22,44.46 207.04,46.63 200.11,46.63 U19.4
/SequencerClocking/DB: length 23.1
  Top w0.305: U17.1 217.3,43.19 v1(216.73,43.75) ; v1(206.83,47.39) 206.06,48.16 U19.5
  Bottom w0.305: v1(206.83,47.39) 210.23,43.99 216.49,43.99 v1(216.73,43.75)
